# KiCad board smoothiev2-prime-2660.kicad_pcb (continued)
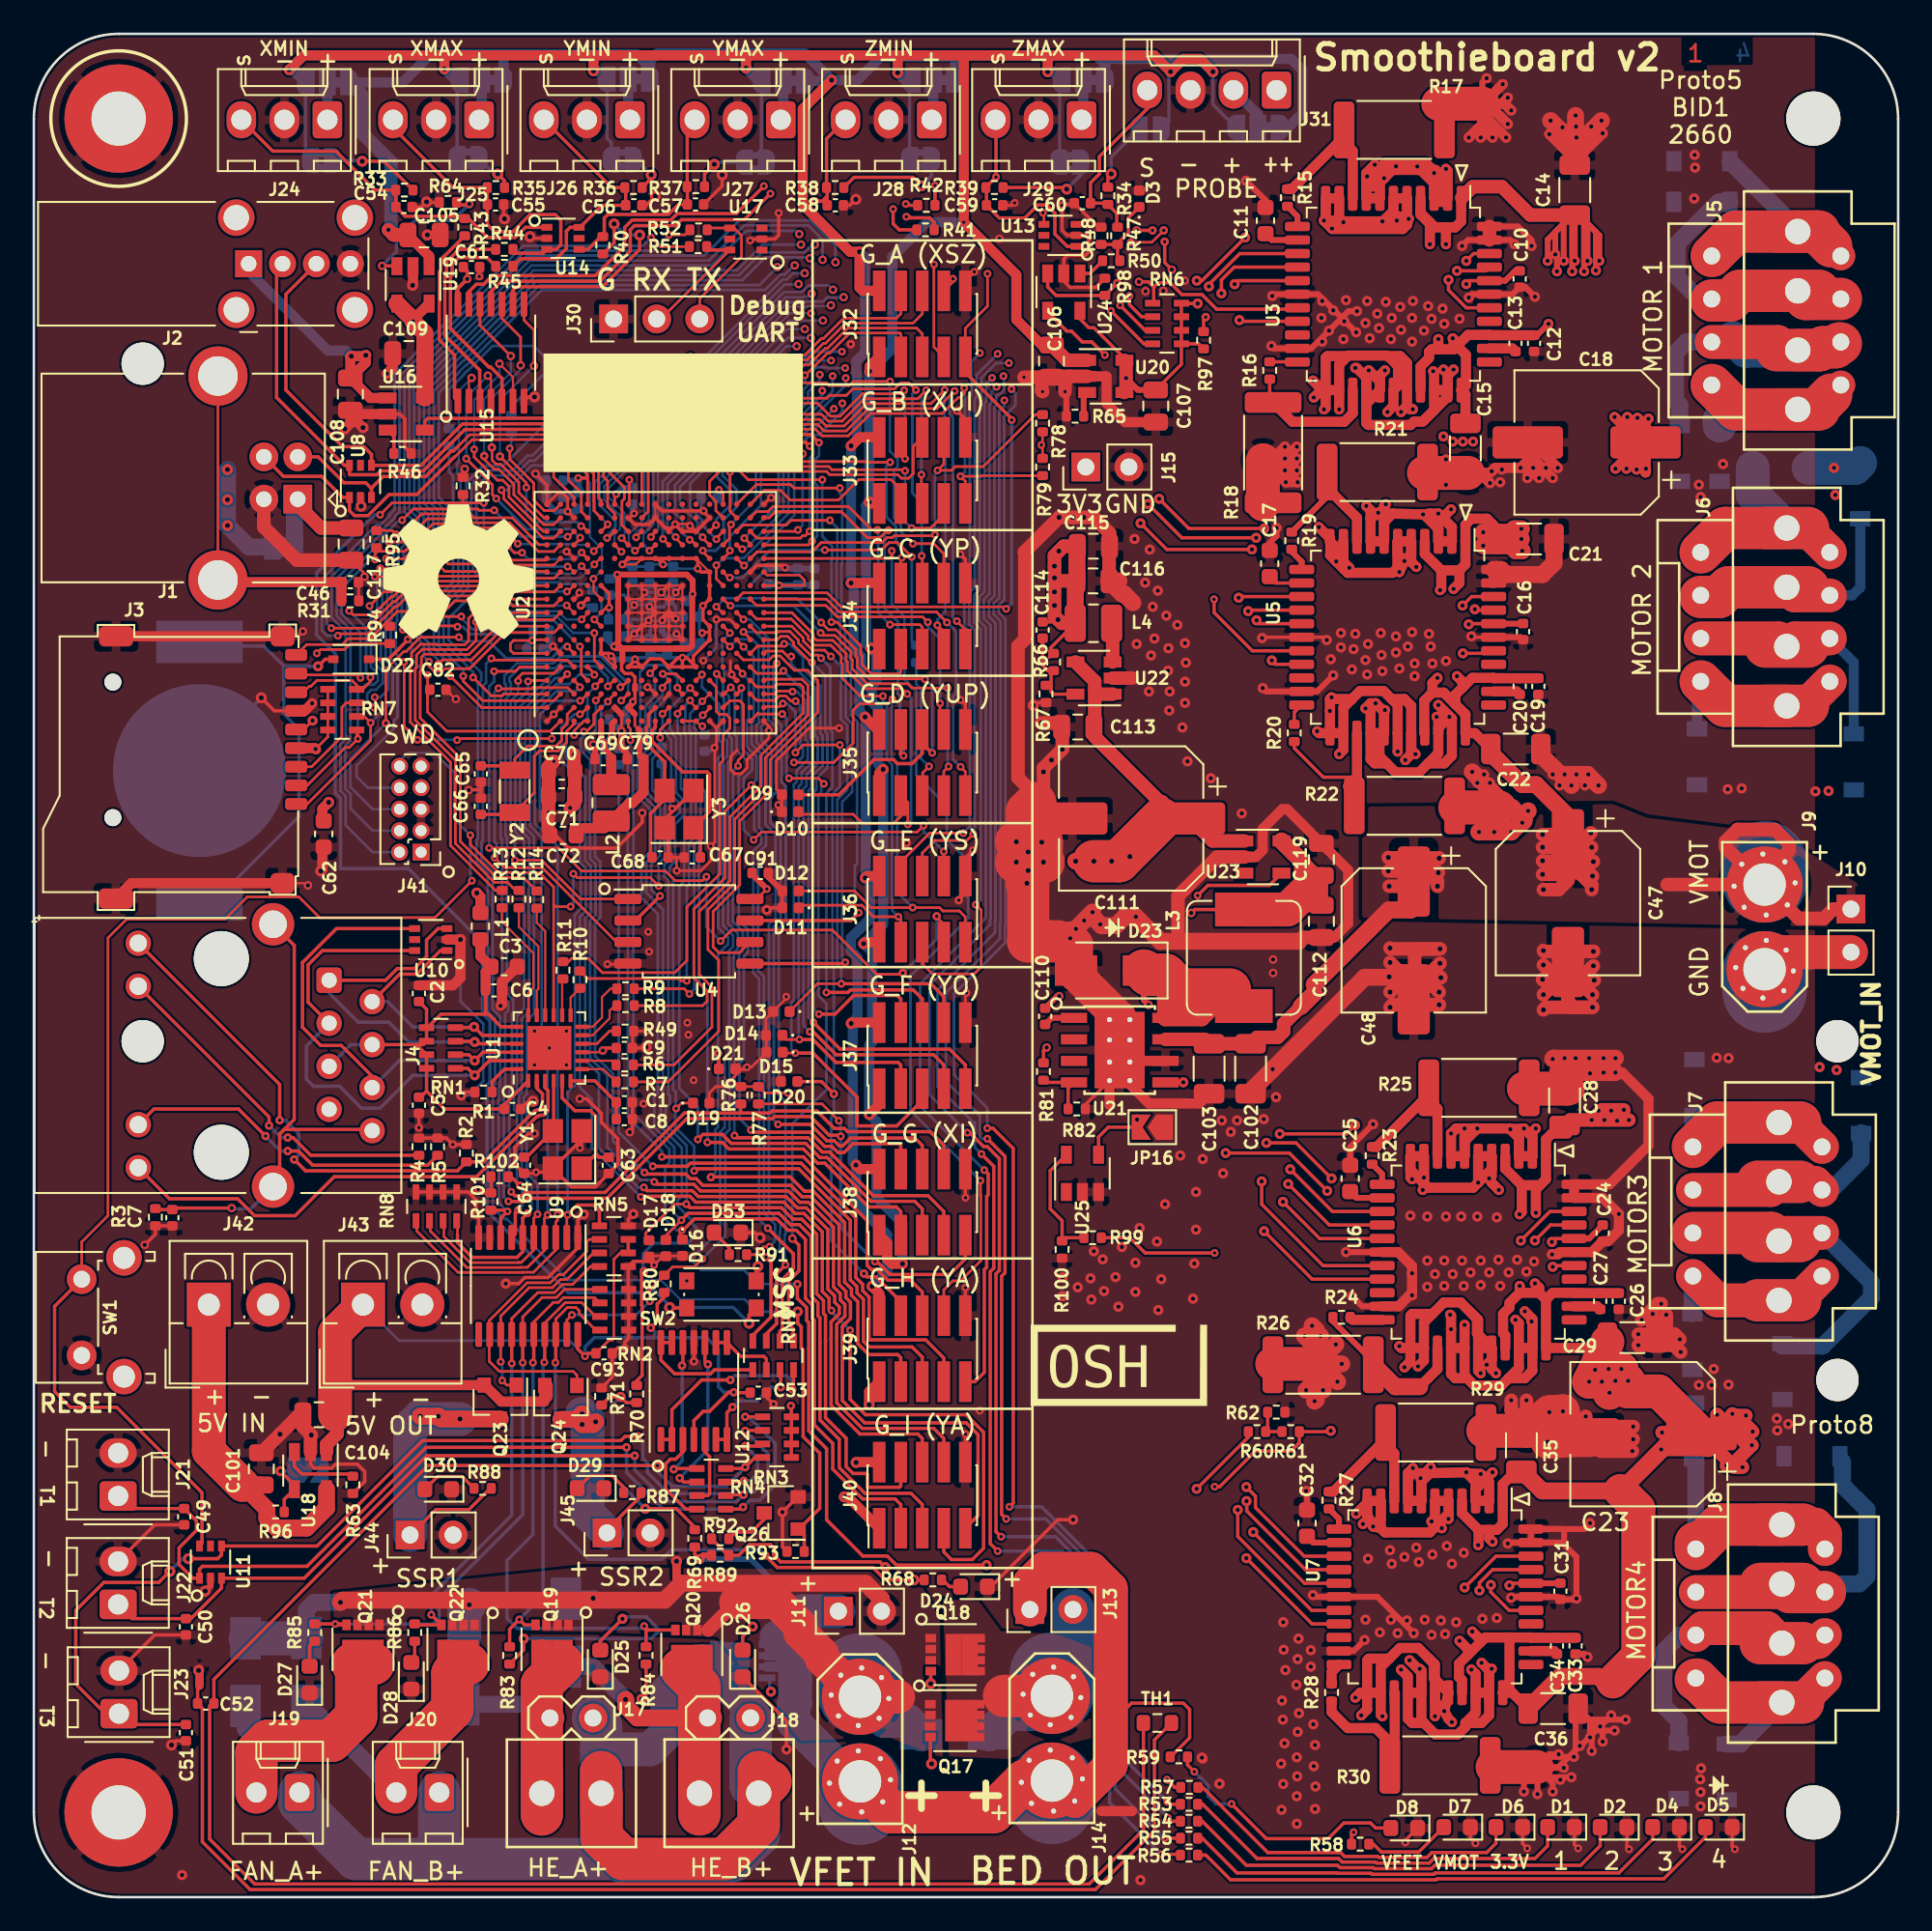
[diagram p0: board, top side]
## Routing (per net, layer and track width the routed paths; a pad name or vN(x,y) marks a point on that pad's centre or on a via; arc(x,y) is an arc through that point) (continued)
Net-(C1-Pad1): length 4.6
  Top w0.2: 31.67,47.82 U1.6 33.1,48.19 C1.1 C8.1
Net-(C2-Pad1): length 30.4
  Top w0.2: J4.4 22.57,50.33 ; 22.57,50.33 22.97,50.33 RN1.6 RN1.5 ; 22.57,50.33 RN1.7 RN1.8 23.17,47.58 ; 23.17,47.58 24.22,46.53 27.51,46.53 U1.1 ; 23.17,47.58 22.82,47.23 C5.1 ; RN1.5 23.22,51.33 24.02,52.13 26.62,52.13 ; RN1.5 23.17,52.42 C2.1 ; U1.19 27.57,51.38 26.82,52.13 26.62,52.13 ; C6.1 26.66,52.17 26.62,52.13
  Top w0.6: L1.1 26.34,55.56 C3.1 26.66,54.62 C6.1
  Bottom w0.2: J4.4 18.7,50.33 J4.5
Net-(C11-Pad1): length 2
  Top w0.35: U3.13 73.05,97.83 C11.1
Net-(C13-Pad2): length 1.6
  Top w0.6: C13.2 87.24,91.43 U3.35
Net-(C17-Pad1): length 2
  Top w0.2: C17.1 73.3,77.58 U5.13
Net-(C20-Pad2): length 1.6
  Top w0.6: C20.2 87.49,71.18 U5.35
Net-(C25-Pad1): length 2
  Top w0.35: C25.1 78.05,41.28 U6.13
Net-(C27-Pad2): length 1.6
  Top w0.6: C27.2 92.24,34.88 U6.35
Net-(C32-Pad1): length 2
  Top w0.35: U7.13 75.49,20.93 75.12,21.31
Net-(C34-Pad2): length 1.6
  Top w0.6: C34.2 89.69,14.53 U7.35
Net-(C46-Pad1): length 45.6
  Top w0.16: J1.5 J1.5
  Top w0.6: J1.5 10.99,77.63 C46.1 18.15,77.59 R31.1
  In1.Cu w0.2: J1.5 12.29,91.23 12.29,93.71 10.92,95.08 10.92,97.78 12.29,99.15 19.29,99.15
  In2.Cu w0.2: 19.29,93.71 12.29,93.71
Net-(C49-Pad1): length 57.2
  Top w0.2: J21.1 5.71,22.94 C49.1 9.59,22.22 9.59,21.65 8.56,20.62 8.56,19.64 9.37,18.83 U11.1 9.77,19.35 9.95,19.53 16.12,19.53 23.14,26.56 v5(34.97,26.56) ; v5(41.97,28.36) 42.99,28.36 ; v5(41.85,23.03) 41.72,22.91 RN4.1
  Bottom w0.2: v5(41.97,28.36) 42.17,28.36 43.74,26.78 43.74,24.36 42.82,23.43 42.24,23.43 v5(41.85,23.03) 41.72,22.91 37.14,22.91 34.97,25.07 v5(34.97,26.56)
Net-(C50-Pad1): length 50.7
  Top w0.2: v5(41.87,23.75) 40.87,23.75 RN4.2 ; v5(41.97,27.53) 41.99,27.56 42.99,27.56 ; J22.1 5.81,16.44 C50.1 9.26,16.44 11.07,18.25 U11.3 15.95,18.83 23.18,26.06 v5(35.45,26.06)
  Bottom w0.2: v5(35.45,26.06) 35.45,25.22 37.32,23.36 41.47,23.36 v5(41.87,23.75) 42.05,23.93 42.49,23.93 43.32,24.75 43.32,26.18 v5(41.97,27.53)
Net-(C51-Pad1): length 63.6
  Top w0.2: v1(8.02,19.23) 7.37,18.58 4.13,18.58 2.47,16.92 2.47,12.58 4.22,10.83 J23.1 5.66,10.19 C51.1 ; v5(35.64,27.2) 34.88,27.2 34.63,26.96 22.94,26.96 16.71,20.73 U11.4 11.07,20.2 10.84,19.98 v1(9.12,19.98) ; v5(41.97,26.63) 42.87,26.63 42.99,26.75 ; v5(41.89,24.58) 41.82,24.5 RN4.3
  Bottom w0.2: v1(9.12,19.98) 8.77,19.98 v1(8.02,19.23) ; v5(35.64,27.2) 35.93,26.92 35.93,25.89 36.2,25.63 36.2,25.08 37.45,23.83 41.14,23.83 v5(41.89,24.58) 42.3,24.58 42.7,24.98 42.7,25.91 v5(41.97,26.63)
Net-(C52-Pad1): length 113.3
  Top w0.2: TH1.1 65.47,3.98 62.26,0.77 13.03,0.77 10.37,3.43 10.37,11.31 ; v5(36.8,25.48) 23.25,25.48 10.62,12.85 C52.1 ; RN4.4 41.89,25.31 v5(41.97,25.38) 42.55,25.95 42.99,25.95
  Bottom w0.2: v5(36.8,25.48) 36.8,25.13 37.66,24.26 40.85,24.26 v5(41.97,25.38)
Net-(C52-Pad2): length 74.9
  Top w0.2: TH1.2 66.12,9.28 66.12,3.93 62.63,0.44 12.76,0.44 9.94,3.26 9.94,11.15 C52.2 9.66,12.37 NT11.1
Net-(C54-Pad1): length 21.7
  Top w0.2: U14.1 29,98.58 28.4,97.98 26.77,97.98 25.52,99.23 21.91,99.23 C54.1 21.36,100.77 R33.2 20.12,100.78 17.82,103.08 14.09,103.08 J24.3
Net-(C55-Pad1): length 19.3
  Top w0.2: R44.2 28.5,97.05 30.04,97.05 U14.3 30.82,97.28 31.09,97.55 31.09,99.01 30.77,99.33 29.27,99.33 28.27,98.33 27.17,98.33 26.76,98.74 C55.1 26.75,99.94 R35.2 24.72,100.93 21.19,104.46 J25.3
Net-(C56-Pad1): length 16.2
  Top w0.2: J26.3 34.09,100.93 R36.2 34.92,100.88 C56.1 33.52,99.88 32.22,98.58 U14.6 31.64,98.58 31.42,98.36 31.42,97.33 30.81,96.72 28.71,96.72 R45.2
Net-(C57-Pad1): length 13.2
  Top w0.2: U14.4 32.7,97.28 33.66,98.24 33.66,99.13 33.87,99.34 37.44,99.34 38.03,99.93 C57.1 38.56,100.97 R37.2 38.55,104.49 J27.3
Net-(C58-Pad1): length 24.1
  Top w0.16: U13.4 59.6,99.38 v3(59.54,99.44)
  Top w0.2: 46.81,100.42 46.51,100.12 v3(46.11,100.12) ; 46.81,100.42 46.81,100.89 R38.2 46.77,103.81 J28.3 ; 46.81,100.42 C58.1 ; R41.2 53.12,98.87 52.85,99.14 51.73,99.14 51.67,99.21 v3(51.48,99.21)
  In2.Cu w0.2: v3(46.11,100.12) 46.56,99.67 49.82,99.67 50.29,99.2 51.48,99.2 v3(51.48,99.21) 51.6,99.21 52.94,100.55 56.65,100.55 57.76,99.44 v3(59.54,99.44)
Net-(C59-Pad1): length 18.1
  Top w0.2: 61.49,97.45 60.97,97.45 60.24,98.18 60.24,99.42 59.76,99.9 59.24,99.9 58.47,99.13 56.96,99.13 C59.1 56.21,100.89 R39.2 56.17,100.95 v3(56.77,101.55) 56.77,104.9 J29.3 ; R42.2 v3(53.17,101.05)
  In2.Cu w0.2: v3(56.77,101.55) 56.14,100.92 53.3,100.92 v3(53.17,101.05)
Net-(C60-Pad1): length 10.7
  Top w0.2: 63.89,98.59 63.89,99.41 R34.2 63.3,100 62.35,100 62.35,101.2 62.87,101.73 62.87,102.75 65.7,105.59 J31.4
Net-(C63-Pad1): length 7.7
  Top w0.2: U1.5 31.17,47.18 31.92,46.43 32.83,46.43 33.15,46.11 33.15,43.86 ; 33.15,43.86 Y1.1 ; 33.15,43.86 33.33,43.68 C63.1
Net-(C64-Pad1): length 5.3
  Top w0.2: U1.4 30.67,45.28 Y1.3 29.08,43.69 C64.1
Net-(C110-Pad1): length 21.4
  Top w0.35: v4(65.77,52.68) 65.49,52.95 D23.1 ; C110.1 60.38,53.19 v4(60.5,53.19)
  Top w1: 70.57,53.58 68.9,51.91 U21.8 66.77,54.45
  Top w2.5: D23.1 65.74,54.45 66.77,54.45 67.64,53.58 70.57,53.58
  In2.Cu w0.35: v4(60.5,53.19) 60.59,53.28 65.17,53.28 v4(65.77,52.68)
Net-(C110-Pad2): length 1.9
  Top w0.35: C110.2 60.06,51.91 U21.1
Net-(C112-Pad1): length 35
  Top w0.2: R81.1 59.57,49.97 v4(59.76,50.16) ; v4(68.29,58.1) 68.49,58.31 71.39,58.31
  Top w0.8: 74.86,61.12 75.97,60 C112.1 71.64,58.56 71.39,58.31
  Top w1: U23.5 74.86,61.12 74.86,59.22 74.88,59.22 C119.1
  Top w2: 74.88,59.22 73.96,58.31 71.39,58.31
  In2.Cu w0.2: v4(68.29,58.1) 64.54,54.36 60.14,54.36 59.76,53.97 v4(59.76,50.16)
Net-(C114-Pad1): length 5.3
  Top w0.2: C114.1 59.52,72.7 59.82,72.41 R66.2 ; U22.5 60.16,71.02 60.02,71.16 60.02,71.5 ; R67.1 59.98,71.54 60.02,71.5 ; 60.02,71.5 60.02,72.23 59.99,72.25
Net-(C117-Pad1): length 7
  Top w0.8: J1.1 15.57,82.2 16.95,80.83 C117.1
  Bottom w1: JP17.1 15.37,82.33 J1.1
Net-(D1-Pad2): length 23.6
  Top w0.2: R53.2 68.97,5.48 72.17,2.28 76.99,2.28 77.2,2.07 79.17,2.07 79.23,2.01 82.33,2.01 82.6,2.28 88.57,2.28 89.32,3.03 D1.2
Net-(D2-Pad2): length 26.6
  Top w0.2: D2.2 92.42,3.03 91.27,1.88 82.67,1.88 82.47,1.68 79.09,1.68 79.03,1.74 77.06,1.74 76.92,1.88 71.54,1.88 68.94,4.48 R54.2
Net-(D3-Pad1): length 4.7
  Top w0.2: D3.1 64.59,99.15 64.59,98.27 63.95,97.63 R47.1 63.95,96.63 63.97,96.61 ; 62.92,97.59 62.93,97.57 63.89,97.57
Net-(D4-Pad2): length 29.3
  Top w0.2: D4.2 95.52,3.43 93.52,1.43 82.69,1.43 82.61,1.35 78.95,1.35 78.89,1.41 76.92,1.41 76.9,1.43 70.99,1.43 68.94,3.48 R55.2
Net-(D5-Pad2): length 32.2
  Top w0.2: R56.2 69.15,2.48 70.61,1.02 82.74,1.02 82.8,1.08 96.17,1.08 98.63,3.54 D5.2
Net-(D6-Pad2): length 20.6
  Top w0.2: D6.2 86.27,3.18 85.72,2.63 82.49,2.63 82.2,2.34 79.36,2.34 79.3,2.4 77.33,2.4 77.1,2.63 72.81,2.63 68.96,6.48 R57.2
Net-(D7-Pad2): length 5.2
  Top w0.2: D7.2 81.72,2.67 79.5,2.67 79.04,3.13 R58.2
Net-(D8-Pad2): length 15.2
  Top w0.2: R59.2 68.07,7.81 v3(68.47,7.41) ; v3(70.67,5.5) 72.72,3.46 76.37,3.46 77.3,4.38 78.87,4.38 79.17,4.08 D8.2
  Bottom w0.2: v3(70.67,5.5) 69.74,5.5 69.3,5.96 69.3,6.58 v3(68.47,7.41)
Net-(D24-Pad2): length 1.4
  Top w0.2: 54.83,18.33 54.03,18.33 53.63,18.73
Net-(D25-Pad2): length 15
  Top w0.2: v2(34.73,16.43) 33.42,15.12 D25.2 ; R83.1 28.9,14.59 v2(28.9,15.26)
  Bottom w0.2: v2(28.9,15.26) 36.43,15.26 36.92,15.75 36.12,16.55 34.85,16.55 v2(34.73,16.43)
Net-(D26-Pad2): length 12.4
  Top w0.2: v2(35.85,11.7) 36.12,11.97 R84.1 ; v2(42.41,15.97) 41.82,15.38 D26.2
  In2.Cu w0.2: v2(42.41,15.97) 42.41,15.52 38.59,11.7 v2(35.85,11.7)
Net-(D27-Pad2): length 1.6
  Top w0.2: D27.2 16.27,14.81 R85.1
Net-(D28-Pad2): length 1.3
  Top w0.2: R86.1 22.47,14.06 D28.2
Net-(D29-Pad2): length 3.7
  Top w0.2: R87.2 34.8,24.2 34.11,24.89 32.81,24.89 32.05,24.13
Net-(D30-Pad2): length 3.6
  Top w0.2: D30.2 23.82,24.83 25.27,24.83 R88.2 25.97,24.18
Net-(D48-Pad1): length 17.4
  Top w1: Q19.5 29.96,13.47 Q19.5 ; 29.97,12.56 30.45,12.08 J17.2
  Top w2.5: J17.2 29.97,12.56 Q19.5
  Bottom w1: D48.1 29.64,11.38 J17.2
Net-(D50-Pad1): length 21.8
  Top w1: v1(34.91,11.67) 34.92,11.66 34.92,11.26 35.6,10.58 J18.2 39.75,12.29 Q20.5 39.43,13.17 Q20.5
  Top w2.5: 39.27,6.13 39.27,12.41 Q20.5
  Bottom w1: v1(34.91,11.67) 32.97,13.61 D50.1
Net-(D51-Pad1): length 18.9
  Top w2.5: J19.2 13.13,8.54 13.82,9.23 17.57,9.23 19.02,10.68 19.02,13.56 Q21.5 Q21.5
  Bottom w1: J19.2 13.13,9.28 12.49,9.92 D51.1
Net-(D52-Pad1): length 17.9
  Top w1: Q22.5 Q22.5
  Top w2.5: J20.2 21.38,7.79 24.69,11.1 Q22.5 25.27,13.77 Q22.5
  Bottom w1: D52.1 16.26,11.3 J20.2
Net-(D53-Pad2): length 1.7
  Top w0.2: R91.2 41.04,38.33 D53.2
Net-(J4-Pad1): length 23
  Top w0.2: RN1.3 25.97,50.53 v2(26.01,50.49) 26.12,50.38 U1.21 ; J4.1 20.75,54.13 21.44,54.82 22.46,54.82 23.17,55.53 23.17,56.5 23.84,57.18 U10.3
  Bottom w0.2: J4.1 17.42,53.38 19.15,51.65 20.95,51.65 22.11,50.49 v2(26.01,50.49)
Net-(J4-Pad2): length 16.1
  Top w0.2: J4.2 21.58,54.49 22.6,54.49 23.99,55.88 U10.1 ; U1.20 26.47,50.88 v2(25.98,51.37) 25.93,51.33 RN1.4
  Bottom w0.2: v2(25.98,51.37) 22.36,51.37 20.86,52.87 J4.2
Net-(J4-Pad3): length 30
  Top w0.2: U10.6 17.02,55.88 16.18,55.04 16.18,52.83 J4.3 ; RN1.1 25.6,48.93 v2(26.01,48.52) 26.87,49.38 U1.23
  Bottom w0.2: v2(26.01,48.52) 22.37,48.52 20.43,46.58 19.33,46.58 18.04,47.87 16.5,47.87 16.08,48.29 16.08,50.25 J4.3
Net-(J4-Pad6): length 27.9
  Top w0.2: U1.22 26.5,49.88 v2(26.01,49.39) 25.67,49.73 RN1.2 ; J4.6 19.96,48.46 18.14,50.28 16.92,50.28 15.85,51.35 15.85,55.18 17.85,57.18 U10.4
  Bottom w0.2: v2(26.01,49.39) 21.56,49.39 J4.6
Net-(J4-Pad10): length 21
  Top w0.2: J4.10 13.87,46.06 v5(13.87,45.55) ; R4.2 16.33,43.8 15.29,44.84 v5(14.98,44.84)
  Bottom w0.2: v5(13.87,45.55) 14.59,44.84 v5(14.98,44.84)
Net-(J4-Pad11): length 19.7
  Top w0.2: 6.16,45.61 7.09,46.53 12.07,46.53 v5(13.67,44.93) ; R5.2 23.24,43.21 16.45,43.21 15.61,44.05 v5(14.98,44.05)
  Bottom w0.2: v5(13.67,44.93) 14.55,44.05 v5(14.98,44.05)
Net-(J17-Pad1): length 81.7
  Top w2.5: 43.46,6.83 42.77,6.13 42.77,4.25 40.77,2.25 34.77,2.25 33.49,3.53 33.49,6.1
  Bottom w2: J18.1 42.29,11.14 40.82,12.61 40.82,14.03 ; 33.47,8.73 36.37,8.73 37.37,9.73 37.37,12.13 39.17,13.93 Q25.5
  Bottom w2.5: 34.57,2.13 41.22,2.13 42.77,3.68 42.77,6.13 42.29,6.62 J18.1 ; 34.57,2.13 34.45,2.25 23.24,2.25 ; 34.57,2.13 33.47,3.23 J17.1 33.47,10.09 J17.1 ; J20.1 23.92,2.93 23.24,2.25 ; 23.24,2.25 19,2.25 15.67,5.58 J19.1
Net-(J24-Pad1): length 2.2
  Bottom w0.6: JP1.2 J24.1
Net-(J25-Pad1): length 2.4
  Bottom w0.6: J25.1 26.42,105.08 JP2.2
Net-(J26-Pad1): length 2.4
  Bottom w0.6: JP3.2 35.07,105.03 J26.1
Net-(J27-Pad1): length 2.4
  Bottom w0.6: JP4.2 44.22,105.08 J27.1
Net-(J28-Pad1): length 2.4
  Bottom w0.6: JP5.2 53.07,105.03 J28.1
Net-(J29-Pad1): length 2.4
  Bottom w0.6: J29.1 61.92,105.03 JP6.2
Net-(J30-Pad2): length 7.4
  Top w0.16: U17.6 36.99,93.17 J30.2
  Top w0.2: R51.2 39.9,97.24 U17.6
Net-(J30-Pad3): length 8.2
  Top w0.16: J30.3 39.29,94.37 41.75,96.83 41.75,98.1 41.31,98.54 U17.4 39.84,98.54 R52.2
Net-(J31-Pad2): length 2.8
  Bottom w0.6: J31.2 72.22,105.24 JP8.2
Net-(J44-Pad1): length 20.4
  Top w0.2: R88.1 26.92,24.13 25.67,22.88 23.72,22.88 22.22,21.38 J44.1
  Top w1: v1(22.79,28.39) v1(23.86,28.39) 24.02,28.23 v1(25.14,28.23) Q23.3
  Bottom w2: v1(25.14,28.23) 22.95,28.23 v1(22.79,28.39) 22.2,27.8 J44.1
Net-(J45-Pad1): length 13.7
  Top w0.2: J45.1 33.82,21.68 35.82,23.68 R87.1
  Top w1: Q24.3 32.02,28.2 v1(32.35,28.53) v1(32.35,27.91) 32.99,27.91 v1(33.15,28.06)
  Bottom w2: v1(32.35,28.53) 32.67,28.21 32.67,22.66 J45.1
Net-(JP7-Pad2): length 4.2
  Top w0.2: v1(63.57,101.73) 63.37,101.53 R34.1
  Bottom w0.2: v1(63.57,101.73) 63.57,102.73 JP7.2
Net-(JP9-Pad2): length 5.5
  Top w0.2: v1(19.37,102.48) 20.67,102.48 R33.1
  Bottom w0.2: v1(19.37,102.48) 19.32,102.53 JP9.2
Net-(JP10-Pad2): length 2.4
  Top w0.2: v1(27.37,101.73) 27.77,101.33 R35.1
  Bottom w0.2: v1(27.37,101.73) 27.17,101.73 JP10.2
Net-(JP11-Pad2): length 2.4
  Top w0.2: R36.1 36.42,101.46 v1(36.42,101.68)
  Bottom w0.2: JP11.2 35.52,102.58 v1(36.42,101.68)
Net-(JP12-Pad2): length 3.4
  Top w0.2: v1(40.15,102.3) 39.57,101.72 R37.1
  Bottom w0.2: v1(40.15,102.3) 40.28,102.43 JP12.2
Net-(JP13-Pad2): length 6.8
  Top w0.2: R38.1 48.39,101.53 51.87,101.53 v1(52.37,101.03)
  Bottom w0.2: v1(52.37,101.03) 52.97,101.63 JP13.2
Net-(JP14-Pad2): length 5.7
  Top w0.2: R39.1 60.85,100.93 v1(60.94,100.84)
  Bottom w0.2: v1(60.94,100.84) 61.77,101.66 JP14.2
Net-(JP15-Pad1): length 3.9
  Top w0.2: R96.1 14.77,23.48 U18.4 15.37,24.33 v2(14.55,25.15)
  Bottom w0.2: v2(14.55,25.15) 15.39,25.15 JP15.1
Net-(L4-Pad2): length 2.3
  Top w0.8: L4.2 63.66,75.14 U22.3
Net-(Q25-Pad4): length 24.4
  Top w0.2: R92.2 40.96,20.18 41.6,20.18 42.22,20.81 43.47,20.81 43.64,20.63 43.64,20.2 44.06,19.79 49.93,19.79 v2(50.24,19.48)
  In2.Cu w0.2: v2(43.49,12.13) 43.49,15.41 47.15,19.07 49.83,19.07 v2(50.24,19.48)
  Bottom w0.2: v2(43.49,12.13) 43.42,12.2 43.42,13.03
Net-(R1-Pad1): length 2.4
  Top w0.2: R1.1 27.04,48.15 27.77,48.88 U1.24
Net-(R6-Pad1): length 2.1
  Top w0.128: R6.1 34.1,49.38 U1.8
Net-(R7-Pad1): length 2.3
  Top w0.128: R7.1 33.6,48.88 U1.7
Net-(R8-Pad1): length 3
  Top w0.128: U1.11 32.97,50.88 33.97,51.88 33.97,52.33 34.27,52.63 R8.1
Net-(R9-Pad1): length 3.7
  Top w0.128: R9.1 34.02,53.63 33.52,53.13 33.52,51.93 32.97,51.38 U1.12
Net-(R10-Pad1): length 1.8
  Top w0.128: R10.1 31.67,53.11 U1.13
Net-(R11-Pad1): length 2.2
  Top w0.128: U1.14 31.17,54.16 R11.1
Net-(R15-Pad1): length 7.9
  Top w0.6: U3.9 77.82,103.09 77.43,103.48 76.87,103.48 74.23,100.84 R15.1
Net-(R15-Pad2): length 1.4
  Top w0.35: R15.2 74.56,99.23 U3.12
Net-(R16-Pad1): length 8.2
  Top w0.2: R16.1 72.92,88.44 R18.2
  Top w0.6: R18.2 74.26,87.1 77.32,87.1 77.82,87.6 U3.25
Net-(R16-Pad2): length 1.6
  Top w0.2: U3.22 74.55,90.64 R16.2
Net-(R19-Pad1): length 9.2
  Top w0.35: R21.2 76.31,82.68 R19.1
  Top w0.6: U5.9 78.07,81.43 76.31,83.19 R21.2
Net-(R19-Pad2): length 1.4
  Top w0.35: 74.17,79.48 74.81,78.84 U5.12
Net-(R20-Pad1): length 8.2
  Top w0.2: R20.1 74.37,67.83 76.08,66.12 78.07,66.12
  Top w0.6: 77.53,65.58 78.07,66.12 U5.25
Net-(R20-Pad2): length 1.3
  Top w0.2: R20.2 74.37,69.94 U5.22
Net-(R23-Pad1): length 7.9
  Top w0.6: R23.1 79.23,44.29 81.87,46.93 82.43,46.93 82.82,46.54 U6.9
Net-(R23-Pad2): length 1.4
  Top w0.35: R23.2 79.56,42.68 U6.12
Net-(R24-Pad1): length 9.8
  Top w0.35: R26.2 79.03,31.62 76.65,34 R24.1
  Top w0.6: 81.77,30.13 82.82,31.18 U6.25
  Top w1: 81.77,30.13 80.33,30.13 R26.2
Net-(R24-Pad2): length 1.9
  Top w0.6: R24.2 77.82,34.08 U6.22
Net-(R27-Pad1): length 7.9
  Top w0.6: R27.1 76.68,23.94 79.32,26.58 79.88,26.58 80.27,26.19 U7.9
Net-(R27-Pad2): length 1.4
  Top w0.35: R27.2 77.01,22.33 U7.12
Net-(R28-Pad1): length 9.6
  Top w0.6: U7.25 80.3,12.04 80.3,9.5 79.73,8.93 ; R28.1 76.57,10.93 77.52,9.98 79.17,9.98 80.01,9.14 R30.2
Net-(R28-Pad2): length 1.3
  Top w0.6: U7.22 76.57,13.29 R28.2
Net-(R40-Pad1): length 14
  Top w0.2: v1(34.23,98.78) 34.23,97.67 R40.1 ; v1(35.74,98.12) 35.74,97.27 33.54,95.07 28.46,95.07 28.27,94.88 U15.9
  Bottom w0.2: v1(35.74,98.12) 34.89,98.12 v1(34.23,98.78)
Net-(R41-Pad1): length 30.6
  Top w0.2: R41.1 51.06,98.43 50.7,98.79 v3(50.7,99.66) ; U15.11 26.97,94.78 27.59,95.4 33.41,95.4 35.19,97.18 35.19,98.43 35.44,98.68 37.86,98.68 38.21,99.03 41.92,99.03 v3(43.46,100.57)
  In2.Cu w0.2: v3(50.7,99.66) 49.56,100.8 43.69,100.8 v3(43.46,100.57)
Net-(R42-Pad1): length 31.1
  Top w0.2: v3(51.45,99.96) 51.53,99.88 R42.1 ; U15.13 25.67,94.78 26.11,95.22 26.54,95.22 27.05,95.73 33.13,95.73 34.86,97.46 34.86,98.57 35.3,99.01 37.58,99.01 37.96,99.39 41.45,99.39 v3(43.07,101.01)
  In2.Cu w0.2: v3(51.45,99.96) 50.17,101.24 43.3,101.24 v3(43.07,101.01)
Net-(R43-Pad1): length 10.8
  Top w0.2: U15.1 24.82,88.52 24.82,91.03 23.92,91.93 23.92,95.94 24.02,96.04 24.02,96.7 24.2,96.88 24.22,96.88 R43.1
Net-(R44-Pad1): length 12.3
  Top w0.2: R44.1 25.09,97.28 24.35,96.54 24.35,95.9 24.25,95.8 24.25,92.2 26.31,90.14 26.31,88.33 U15.3
Net-(R45-Pad1): length 12.4
  Top w0.2: U15.5 27.62,89.66 26.95,90.33 26.85,90.33 24.58,92.6 24.58,95.67 24.68,95.77 24.68,96.41 25.06,96.79 26.74,96.79 R45.1
Net-(R46-Pad1): length 1.5
  Top w0.2: 20.87,86.61 21.23,86.24 R46.1
Net-(R49-Pad1): length 2.3
  Top w0.16: R49.1 33.97,51.13 33.22,50.38 U1.10
Net-(R50-Pad1): length 1.7
  Top w0.2: R50.1 62.31,95.86 U24.1
Net-(R60-Pad1): length 2.2
  Top w0.2: R61.2 R60.1 72.8,27.6 R62.1
Net-(R63-Pad1): length 4.5
  Top w0.2: R63.1 18.69,24.98 15.82,24.98 15.37,25.43 U18.3
Net-(R64-Pad1): length 8.7
  Top w0.2: 24.94,99.91 25.64,99.91 v4(25.7,99.95) ; v4(20.55,96.31) 21.39,96.31 U19.3
  Bottom w0.2: v4(25.7,99.95) 24.72,98.98 22.5,98.98 21.39,97.88 21.39,97.16 v4(20.55,96.31)
Net-(R65-Pad1): length 1.5
  Top w0.35: U20.3 61.95,88.63 61.95,87.43
Net-(R69-Pad1): length 13.4
  Top w0.2: R71.2 33.98,29.53 v2(34.62,29.53) 34.95,29.2 R70.2 ; v2(36.07,22.93) 37.91,22.93 38.99,21.84
  Bottom w0.2: v2(36.07,22.93) 34.14,24.86 34.14,29.05 v2(34.62,29.53)
Net-(R81-Pad2): length 3.6
  Top w0.2: R81.2 59.7,48.1 U21.4 61.02,47.75 R82.1
Net-(R90-Pad1): length 1.3
  Top w0.2: U2.D10 32.67,76.58 32.6,76.58 v5(32.27,76.25)
  Bottom w0.2: v5(32.27,76.25) 32.83,76.25 R90.1
Net-(R97-Pad1): length 13.5
  Top w0.2: v5(63.92,95.29) 63.92,95.28 R98.2 60.32,94.56 59.82,95.06 U24.3 ; v5(69.14,93.28) 69.14,93.18 69.02,93.06 69.02,92.43
  In2.Cu w0.2: v5(69.14,93.28) 68.14,93.28 67.26,94.17 67.26,95.17 66.49,95.93 64.56,95.93 v5(63.92,95.29)
Net-(R100-Pad2): length 7.1
  Top w0.2: U25.5 59.97,42.88 59.97,40.63 60.67,39.93 R100.2 60.86,38.93 R99.1
Net-(RN4-Pad5): length 9.1
  Top w0.2: v5(38.24,31.38) 38.3,31.43 U12.12 ; v5(37.76,25.26) 37.8,25.31 RN4.5
  Bottom w0.2: v5(37.76,25.26) 38.24,25.75 v5(38.24,31.38)
Net-(RN4-Pad6): length 9.9
  Top w0.2: RN4.6 38.34,24.5 v5(38.1,24.74) ; v5(39.77,31.45) 39.6,31.63 U12.10
  Bottom w0.2: v5(38.1,24.74) 39.77,26.4 v5(39.77,31.45)
Net-(RN4-Pad7): length 4.1
  Top w0.2: U12.5 39.6,26.28 39.87,26 39.87,23.81 39.77,23.7 RN4.7
Net-(RN4-Pad8): length 5.9
  Top w0.2: RN4.8 38.47,22.91 37.28,24.1 37.28,25.59 37.55,25.86 37.87,25.86 38.3,26.28 U12.3
Net-(RN9-Pad5): length 7.5
  Top w0.2: RN9.5 40.16,31.13 39.93,30.9 37.8,30.9 36.99,31.7 36.99,32.74 U12.13
Net-(RN9-Pad6): length 4
  Top w0.2: U12.9 U12.8 41.71,31.93 43.07,31.93 43.22,31.78 RN9.6
Net-(RN9-Pad7): length 7.1
  Top w0.2: v5(44.07,30.11) 44.07,31.08 RN9.7 ; v5(41.22,28.93) 40.89,28.61 U12.7 U12.6
  Bottom w0.2: v5(44.07,30.11) 43.49,30.11 42.7,29.31 41.6,29.31 v5(41.22,28.93)
Net-(RN9-Pad8): length 12.1
  Top w0.2: RN9.8 44.82,30.06 v5(44.74,29.98) ; 36.99,27.02 U12.2 37.64,28.78 39.39,30.53 v5(41.1,30.53)
  Bottom w0.2: v5(41.1,30.53) 41.34,30.78 44.42,30.78 44.74,30.45 v5(44.74,29.98)

## Copper pours and planes (outline as drawn; the poured copper is in the pictures)
/3V3 on In2.Cu: 28.65,97.88 39.46,97.67 41.88,99.81 44.58,99.85 47.61,96.59 46.07,86.76 57.64,86.43 64.86,92.32 67.89,87.77 68.48,82.13 65.29,79.61 62.68,77.16 64.42,70.93 66.42,68.86 69.2,63.81 69.63,48.8 63.17,39.81 57.14,37.93 53.64,37.56 48.8,32.61 46.89,29.33 44.22,28 40.82,29.28 38.05,32.37 36.41,33.35 32.29,33.62 30.36,33.74 26.14,40.06 25.63,47.11 25.18,52.94 24.05,57.76 24.13,59.66 16.18,61.53 15.37,72.62 18.15,81.12 19.11,87.74 21.11,91.28 24.34,96.68
/mosfets/GND_FET on Top: 43.37,19.38 48.48,20.08 52.35,18.48 53.45,16.48 53.55,12.28 53.64,8.28 53.2,8.35 50.47,9.43 45.24,9.23 43.45,11.33 40.32,15.35 33.05,15.66 17.7,15.73 17.64,17.98 32.47,19.5
GND on Top: 105.1,-3.32 -4.33,-3.07 -4.33,112.78 105.1,112.53
GND on Bottom: 112.12,-3.07 -4.33,-3.07 -4.33,112.78 112.12,112.78
GND on In1.Cu: 112.12,-3.07 -4.33,-3.07 -4.33,112.78 112.12,112.78
GND on In2.Cu: 72.74,-3.21 -4.33,-3.07 -4.33,112.78 72.74,112.65
GND on In2.Cu: 109.67,107.53 109.22,60.63 109.22,53.33 109.37,3.88 103.47,1.18 76.36,1.56 76.41,109.2 102.42,108.83
/mosfets/SW_BED on Top: 55.77,17.46 57.07,15.71 60.35,15.53 62.6,14.68 62.74,12.1 62.39,9.38 57.39,8.16 53.99,8.31 53.62,17.6
/mosfets/VFET on Bottom: 62.74,11.73 63.22,3.43 60.89,2.03 53.47,2.33 41.05,2.91 41.14,12.31 45.92,18.06 48.55,18.06 60.17,18.28
/VMOT on Top: 95.17,63.73 103.07,62.73 108.27,59.43 108.32,57.23 78.37,57.83 78.37,63.63 78.77,64.38 93.17,64.53
/VMOT on In1.Cu: 102.37,64.93 109.22,60.63 109.22,53.33 103.47,47.58 103.47,1.18 79.18,1.74 79.32,107.86 102.1,102.41

## Text on the board
Bottom: 4
B.SilkS: RTC Battery | ++ | s | - | + | Proto8 | HEATSINK AREA
Cmts.User: SSR / 2x ssr control / outputs with / high side / switching | SMALL MOSFET / 3x small mosfets / one for fan / two for hotends | 7x Endstop connectors / supporting Min and Max / stops for X, Y, and Z / plus a Probe | LARGE MOSFET / large mosfet for / heated bed | GADGET / as many gadget / connectors as / possible with / spare GPIO | 5V REGULATOR / onboard 5V 3A reg | MOSFET POWER / XT30 connector for / 12V - 24V input | MicroSD / with true SDIO | USB DEVICE / USB-B connector / providing serial / and mass storage / connectivity to a pc | ANALOG / 3x thermistor inputs / board thermistor / primary power sense / vfet power sense / dac | USB MASTER / USB-A connector / supporting mass / storage devices | ETHERNET / 10/100 RJ-45 | LEDS / Primary power / Logic Power / 4x User LED | PARALLEL FLASH / 64Mbit (8MByte) of high / speed flash | PRIMARY POWER / XT30 connector for / 12V - 24V input | STEPPER MOTORS / 4x TMC2660 bipolar / stepper drivers / configured for 24V / and 2.8A maximums
Top: 1
F.SilkS: VFET | VMOT | 3.3V | T2 | T3 | T1 | ++ | XMIN | XMAX | YMIN | YMAX | ZMIN | ZMAX | +  - / 5V IN | FAN_A+ | - | + | +  - / 5V OUT | SWD | FAN_B+ | SSR1 | HE_A+ | SSR2 | HE_B+ | G_B (XUI) | G_A (XSZ) | G_C (YP) | G_D (YUP) | G_E (YS) | G_F (YO) | G_G (XI) | G_H (YA) | G_I (YA) | 3V3 | GND | S | PROBE | 1 | 2 | 3 | Proto5 / BID1 / 2660 | 4 | Proto8 | s | MOTOR4 | MOTOR3 | MOTOR 2 | MOTOR 1 | RESET | Debug / UART | MSC | VMOT_IN | G RX TX | VFET IN | BED OUT | Smoothieboard v2
In1.Cu: 2
In2.Cu: 3
